# Altium PCB QCopterRC__Pcb.PcbDoc (part 2 of 3) (continued)
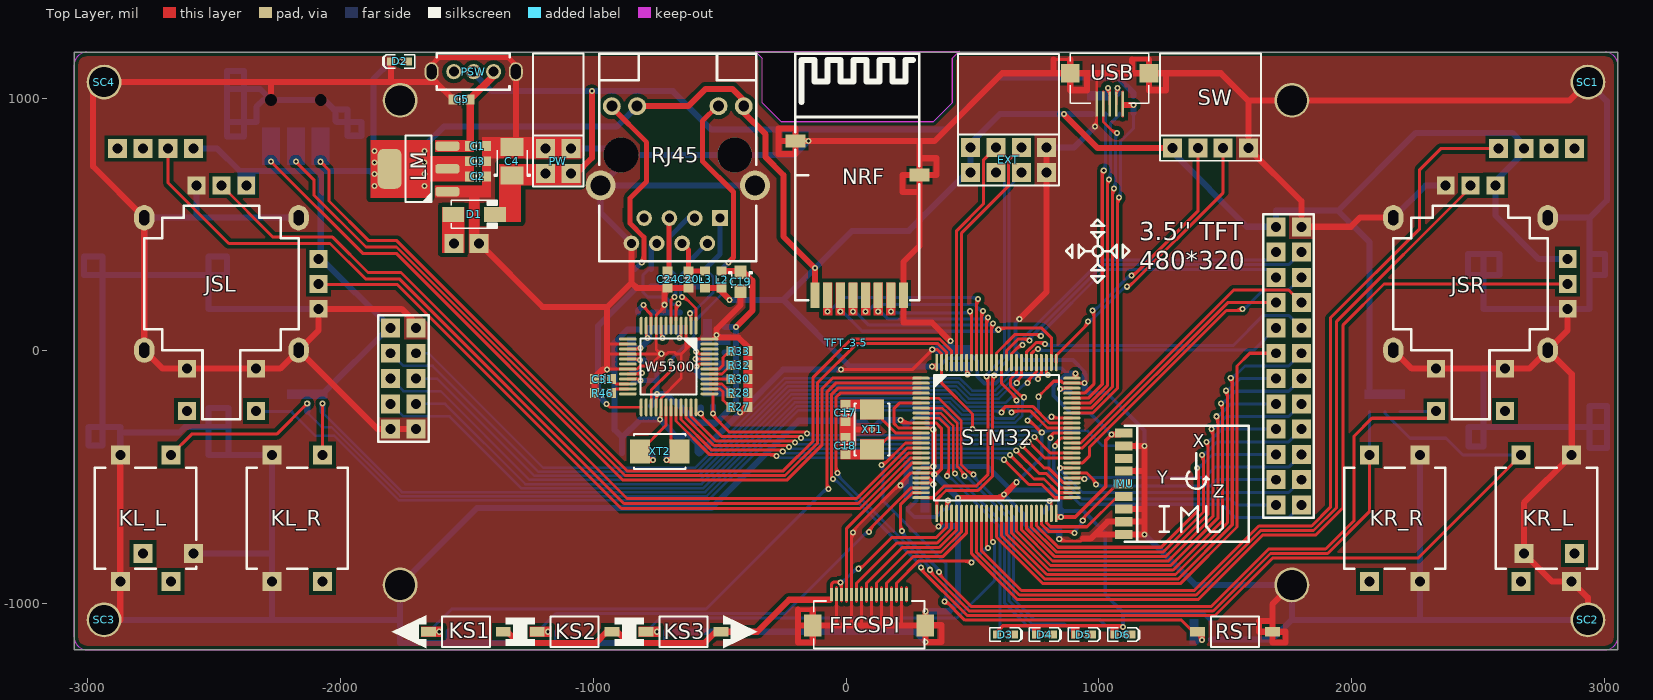
[diagram p0: Top Layer view]
## Nets (pads, with @x,y where several pads share a name; then routed paths per layer and width w, separated by ;. In a path a pad name is that pad's centre, name@x,y a point inside that pad or via, vN(x,y) a via of type N, cw(c..) or ccw(c..) an arc to the next point about the centre after c; other vN are vias at no path point) (continued)
  other v1: 1445,-309.18
LCD_D10: STM32.44 TFT_3.5.17 | length 1526.1
  Top Layer w12: STM32.44@713.11,-642.23 713.11,-701.38 823.73,-812 1264.91,-812 1432,-644.91 v1@1432,-360.18 ; v1@1421.76,-364.42 cw(c1397.03,-389.15) 1432,-389.15
  Bottom Layer w12: v1@1426,-354.18 ccw(c1426,-320.38) 1449.9,-344.28 ; v1@1429,-365.18 1485.13,-309.05 TFT_3.5.17@1700,-309.05
  other v1: 1426,-360.18
LCD_D11: STM32.45 TFT_3.5.18 | length 1553.3
  Top Layer w12: STM32.45@732.8,-642.23 732.8,-695.6 831.19,-794 1255.46,-794 1413,-636.46 v1@1413,-411.18 ; v1@1402.76,-415.42 cw(c1378.03,-440.15) 1413,-440.15
  Bottom Layer w12: v1@1407,-405.18 ccw(c1407,-371.38) 1430.9,-395.28 ; v1@1410,-416.18 1467,-359.18 1749.87,-359.18 TFT_3.5.18@1800,-309.05
  other v1: 1407,-411.18
LCD_D12: STM32.46 TFT_3.5.19 | length 1339
  Top Layer w12: STM32.46@752.48,-642.23 752.48,-689.83 838.65,-776 1246,-776 1394,-628 v1@1394,-462.18 ; v1@1383.76,-466.42 cw(c1359.03,-491.15) 1394,-491.15
  Bottom Layer w12: v1@1388,-456.18 ccw(c1388,-422.38) 1411.9,-446.28 ; v1@1391,-467.18 1449.13,-409.05 TFT_3.5.19@1700,-409.05
  other v1: 1388,-462.18
LCD_D13: STM32.55 TFT_3.5.20 | length 970.8
  Top Layer w12: STM32.55@893.23,-501.48 v1@942.48,-501.48
  Bottom Layer w12: v1@944,-501 1417,-501 1458.82,-459.18 1749.87,-459.18 TFT_3.5.20@1800,-409.05 ; v1@946.24,-511.24 cw(c970.97,-535.97) 970.97,-501
  other v1: 942,-507
LCD_D14: STM32.56 TFT_3.5.21 | length 891
  Top Layer w12: STM32.56@893.23,-481.8 950.8,-481.8 v1@994,-525 ; 973.1,-504.1 cw(c949.2,-528) v1@983,-528
  Bottom Layer w12: v1@992,-534 1441,-534 1465.95,-509.05 TFT_3.5.21@1700,-509.05 ; v1@993.24,-523.76 ccw(c1017.97,-499.03) 1017.97,-534
  other v1: 989,-528
LCD_D15: STM32.57 TFT_3.5.22 | length 1115.5
  Top Layer w12: v1(845.89,-462.11) STM32.57@893.23,-462.11 ; v1@850.13,-466.35 cw(c860.38,-476.6) 860.38,-462.11 cw(c860.38,-447.62) v1@850.13,-457.87
  Bottom Layer w12: v1@840.89,-465.11 934.96,-559.18 1749.87,-559.18 TFT_3.5.22@1800,-509.05 ; v1@851.89,-462.11 ccw(c885.69,-462.11) 861.79,-486.01
LCD_LIG: STM32.63 TFT_3.5.23 | length 1167.1
  Top Layer w12: v1@823,-371 850,-344 STM32.63@893.23,-344 ; v1@833,-375 cw(c866.8,-375) 842.9,-351.1
  Bottom Layer w12: 821.31,-403.21 cw(c855.21,-403.21) v1@831.24,-379.24 ; v1@821.31,-375.69 821.31,-473.31 933,-585 1519,-585 1543.05,-609.05 TFT_3.5.23@1700,-609.05
  other v1: 827,-375
LCD_RD: STM32.85 TFT_3.5.3 | length 1311.4
  Top Layer w12: STM32.85@654.06,-45.77 654.06,-10.94 v1@694,29 ; 673.1,8.1 cw(c697,-15.8) v1@697,18
  Bottom Layer w12: v1@691.34,24 697,29.66 697,46.94 977.01,326.95 977.5,326.95 1009.54,359 1668.05,359 TFT_3.5.3@1700,390.95 ; v1@692.76,28.24 ccw(c682.51,38.49) 697,38.49 ccw(c711.49,38.49) v1@701.24,28.24
  other v1: 697,24
LCD_RS: STM32.58 TFT_3.5.6 | length 1281.2
  Top Layer w12: STM32.58@893.23,-442.43 935.57,-442.43 962,-416 962,-381.84 1503.84,160 v1@1567,160 ; 1538.03,160 ccw(c1538.03,194.97) v1@1562.76,170.24
  Bottom Layer w12: v1@1567,172 ccw(c1567,205.8) 1590.9,181.9 ; v1@1570,161 1650,241 1750.05,241 TFT_3.5.6@1800,290.95
  other v1: 1567,166
LCD_RST: STM32.64 TFT_3.5.24 | length 1374.8
  Top Layer w12: v1@803,-341 819.69,-324.31 ; v1@813.9,-342.91 cw(c834.49,-339.12) 819.68,-324.32 ; STM32.64@893.23,-324.31 819.69,-324.31
  Bottom Layer w12: 802.31,-372.21 cw(c836.21,-372.21) v1@812.24,-348.24 ; v1@802.31,-343.69 802.31,-483.08 925.27,-606.04 1486.04,-606.04 1539.18,-659.18 1749.87,-659.18 TFT_3.5.24@1800,-609.05
  other v1: 808,-344
LCD_WR: STM32.86 TFT_3.5.4 | length 1432.4
  Top Layer w12: STM32.86@634.37,-45.77 634.37,0.37 682,48 v1@726,48 ; 697.03,48 cw(c697.03,13.03) v1@721.76,37.76
  Bottom Layer w12: v1@722,46 1017,341 1750.05,341 TFT_3.5.4@1800,390.95 ; v1@732,42 cw(c765.8,42) 741.9,65.9
  other v1: 726,42
LED_B: R7.1 STM32.7 | length 1344.1
  Top Layer w10: STM32.7@296.77,-225.89 379.43,-225.89 440,-286.46 440,-457 v1@473,-490 ; 448.98,-465.98 cw(c419.96,-495) v1@461,-495 ; 466.05,-483.05 cw(c454.1,-495) v1@471,-495
  Bottom Layer w12: v1@468,-501 cw(c468,-534.8) 491.9,-510.9 ; v1@471.52,-490.52 644,-663 644,-987.91 735.09,-1079 864.54,-1079 R7.1@906.54,-1121
  other v1: 468,-495
LED_G: R6.1 STM32.8 | length 1130.1
  Top Layer w10: STM32.8@296.77,-245.57 373.66,-245.57 424,-295.91 v1@424,-484
  Bottom Layer w12: v1@427,-488 626,-687 626,-995.46 R6.1@751.54,-1121 ; v1@437,-484 ccw(c470.8,-484) 446.9,-507.9
  other v1: 431,-484
LED_R: R5.1 STM32.9 | length 1095.9
  Top Layer w10: STM32.9@296.77,-265.26 367.89,-265.26 406,-303.37 v1@406,-495 ; v1@394.05,-489.05 ccw(c365.2,-460.2) 406,-460.2
  Bottom Layer w12: v1@399,-500 cw(c399,-533.8) 422.9,-509.9 ; v1@403,-490 608,-695 608,-1109.54 R5.1@596.54,-1121
  other v1: 399,-494
LED_Y: R8.1 STM32.5 | length 1501.1
  Top Layer w10: STM32.5@296.77,-186.52 365.52,-186.52 456,-277 456,-450 v1@499,-493 ; 476.69,-470.69 ccw(c504,-443.37) v1@504,-482
  Bottom Layer w12: v1@499,-492 662,-655 662,-980.45 742.55,-1061 1001.54,-1061 R8.1@1061.54,-1121 ; v1@510,-489 ccw(c543.8,-489) 519.9,-512.9
  other v1: 504,-489
LINKLED: R44.1 W5500.25 | length 704.5
  Top Layer w11: v1@-947,-215.5 cw(c-947,-231.19) -935.9,-220.1 cw(c-924.81,-209) v1@-940.5,-209 ; v1(-947,-209) -933.17,-222.83 W5500.25@-809.54,-222.83
  Bottom Layer w24: v1(-947,-209) -980,-176 -980,99 R44.1@-828,251
NetC22_2: C22.2 R42.2 W5500.31 XT2.2 | length 352
  Top Layer w11: W5500.31@-691.43,-222.83 -691.43,-363.52 XT2.2@-657.53,-397.42
  Top Layer w24: v1(-709.27,-430.42) -657.53,-430.42 XT2.2@-657.53,-392.42
  Bottom Layer w24: v1(-709.27,-430.42) R42.2@-709.27,-404.88 ; R42.2@-702.8,-398.42 C22.2@-654.73,-398.42
NetC25_2: C25.2 R42.1 W5500.30 XT2.1 | length 381
  Top Layer w11: XT2.1@-815.01,-397.42 -711.11,-293.52 W5500.30@-711.11,-222.83
  Top Layer w24: XT2.1@-815.01,-392.42 -815.01,-430.42 v1(-763.27,-430.42)
  Bottom Layer w24: C25.2@-817.8,-398.42 R42.1@-769.73,-398.42 ; v1(-763.27,-430.42) R42.1@-763.27,-404.88
NetD1_1: D1.1 Power.1
NetD2_1: D2.1 R1.1 | length 60.9
  Top Layer w24: v1(-1762,1145) D2.1@-1731.54,1145
  Bottom Layer w24: v1(-1762,1145) R1.1@-1731.54,1145
NetD3_2: D3.2 R5.2 | length 60.9
  Top Layer w24: v1(633,-1121) D3.2@663.46,-1121
  Bottom Layer w24: v1(633,-1121) R5.2@663.46,-1121
NetD4_2: D4.2 R6.2 | length 60.9
  Top Layer w24: v1(788,-1121) D4.2@818.46,-1121
  Bottom Layer w24: v1(788,-1121) R6.2@818.46,-1121
NetD5_2: D5.2 R7.2 | length 60.9
  Top Layer w24: v1(943,-1121) D5.2@973.46,-1121
  Bottom Layer w24: v1(943,-1121) R7.2@973.46,-1121
NetD6_2: D6.2 R8.2 | length 60.9
  Top Layer w24: v1(1098,-1121) D6.2@1128.46,-1121
  Bottom Layer w24: v1(1098,-1121) R8.2@1128.46,-1121
NetFFCSPI_16: FFCSPI.16 | length 54
  Top Layer w12: 238.64,-989.05 238.64,-935
NetIMU_3: IMU.3
NetR22_1: R22.1 R24.1 USB.3 | length 122.5
  Top Layer w10: v1@1030.05,1035.05 cw(c1001.2,1006.2) USB.3@1042,1006.2 ; v1(1035,1040) 1042,1033 USB.3@1042,976
  Bottom Layer w24: R24.1@1035,1016.46 v1(1035,1040)
NetR23_1: R23.1 USB.2 | length 119.7
  Top Layer w10: USB.2@1067.59,976 1067.59,1032.59 v1(1074,1039) ; USB.2@1067.59,1006.63 cw(c1106.37,1006.63) v1@1078.95,1034.05
  Bottom Layer w24: R23.1@1074,1015.46 v1(1074,1039)
NetR39_2: R39.2 RJ45.10 | length 739.2
  Top Layer w20: RJ45.10@-509.17,967.72 -567.2,909.69 -567.2,750.07 -445.2,628.07 -445.2,369.27 v1(-464.46,350)
  Bottom Layer w20: R39.2@-492,322.46 v1(-464.46,350)
NetR44_2: R44.2 RJ45.12 | length 793.8
  Top Layer w20: RJ45.12@-925.27,962.27 -788,825 -788,670 -854,604 -854,505 -799.11,450.11 -799.11,358.35 v1(-807.46,350) ; v1@-808.88,351.41 ccw(c-832.46,375) -799.11,375
  Bottom Layer w20: RJ45.12@-925.27,962.27 RJ45.12@-925.27,968.27 ; R44.2@-835,322.46 v1(-807.46,350)
NRF_CE: NRF.2 STM32.92 | length 947.9
  Top Layer w12: STM32.92@516.26,-45.77 v1@516.26,205.26 ; 516.26,176.66 cw(c550.34,176.66) v1@526.24,200.76
  Bottom Layer w12: v1@-72.6,162.84 ccw(c-72.6,196.64) -48.7,172.74 ; v1@-69.6,151.84 -10.44,211 v1@522,211 ; 493.03,211 cw(c493.03,176.03) v1@517.76,200.76
  other v1: -72.6,156.84 522,205
NRF_CSN: NRF.3 STM32.77 | length 1059.8
  Top Layer w12: v1@601.84,90 773.94,90 811.54,52.41 STM32.77@811.54,-45.77 ; v1@606.24,79.76 cw(c630.97,55.03) 630.97,90
  Bottom Layer w12: v1@-22.6,150.84 cw(c-22.6,117.04) 1.3,140.94 ; v1@-18.6,160.84 64.24,78 v1@602,78 ; 573.03,78 ccw(c573.03,112.97) v1@597.76,88.24
  other v1: 602,84 -22.6,156.84
NRF_IRQ: NRF.7 STM32.93 | length 597
  Top Layer w12: v1@486.76,152.76 cw(c463.06,129.06) 496.57,129.06 ; STM32.93@496.57,-45.77 v1@496.57,157.43
  Bottom Layer w12: v1@177,151 v1@490,151 ; v1@181.64,161.09 ccw(c205.99,185.43) 205.99,151 ; 462.03,151 ccw(c462.03,185.97) v1@486.76,161.24
  other v1: 177.4,156.84 491,157
NRF_MISO: NRF.6 STM32.90 | length 705.5
  Top Layer w12: STM32.90@555.63,-45.77 v1@555.63,132.63 ; 555.63,103.14 cw(c591.86,103.14) v1@566.24,128.76
  Bottom Layer w12: v1@127.4,150.84 cw(c127.4,117.04) 151.3,140.94 ; v1@131.4,160.84 165.24,127 v1@562,127 ; 533.03,127 ccw(c533.03,161.97) v1@557.76,137.24
  other v1: 562,133 127.4,156.84
NRF_MOSI: NRF.5 STM32.91 | length 768.4
  Top Layer w12: STM32.91@535.94,-45.77 v1@535.94,157.94 ; 535.94,128.9 cw(c571.1,128.9) v1@546.24,153.76
  Bottom Layer w12: v1@77.4,162.84 ccw(c77.4,196.64) 101.3,172.74 ; v1@80.4,151.84 111.56,183 509,183 v1@539,153 ; 518.1,173.9 ccw(c542,197.8) v1@542,164
  other v1: 77.4,156.84 542,158
NRF_SCK: NRF.4 STM32.89 | length 808.7
  Top Layer w12: STM32.89@575.32,-45.77 v1@575.32,108.32 ; 575.31,79.79 cw(c609.21,79.79) v1@585.24,103.76
  Bottom Layer w12: v1@27.4,150.84 cw(c27.4,117.04) 51.3,140.94 ; v1@31.4,160.84 90.24,102 v1@581,102 ; 552.03,102 ccw(c552.03,136.97) v1@576.76,112.24
  other v1: 581,108 27.4,156.84
OSC1: C17.2 STM32.12 XT1.2 | length 278.7
  Top Layer w12: XT1.2@103.13,-231.13 196.32,-324.31 STM32.12@296.77,-324.31 250.32,-324.31
OSC2: C18.2 STM32.13 XT1.1 | length 250.4
  Top Layer w12: XT1.1@103,-388.74 XT1.1@119.26,-388.74 ; XT1.1@135.26,-388.74 135.26,-372.74 164,-344 STM32.13@296.77,-344 252,-344
PMODE0: R25.1 R26.1 W5500.45 | length 191.6
  Top Layer w11: v1@-591.8,-7.9 cw(c-590.73,-22.69) -580.25,-12.2 ; v1@-591.03,-1.42 -580.25,-12.2 ; v1@-585.77,-1.42 ccw(c-573.05,-1.42) -582.04,-10.41 ; W5500.45@-539.85,-12.2 -580.25,-12.2
  Bottom Layer w24: -576.71,36.14 ccw(c-539.15,-1.42) v1(-592.27,-1.42) -592.27,20.58 R26.1@-557.27,55.58
PMODE1: R29.1 R31.1 W5500.44 | length 125.6
  Top Layer w11: v1@-593.8,-31.89 W5500.44@-539.85,-31.89 ; v1@-589.67,-36.01 cw(c-579.72,-45.97) -579.72,-31.89 ; v1@-589.67,-26.82 ccw(c-577.43,-14.58) -577.43,-31.89
  Bottom Layer w24: v1(-594.27,-31.42) -547.27,-31.42
PMODE2: R34.1 R35.1 W5500.43 | length 192.1
  Top Layer w11: v1@-591.03,-61.42 -581.19,-51.57 ; v1@-590.63,-54.95 ccw(c-589.47,-43.29) -581.19,-51.58 ; v1@-584.78,-61.03 cw(c-572.48,-60.29) -581.19,-51.58 ; W5500.43@-539.85,-51.57 -581.19,-51.57
  Bottom Layer w24: -575.71,-98.97 cw(c-538.15,-61.42) v1(-591.27,-61.42) -591.27,-83.42 R34.1@-554.27,-120.42
RCT: C24.2 R41.1 R45.2 RJ45.5 | length 333.8
  Top Layer w20: C24.2@-699.11,316.46 RJ45.5@-699.11,524.35
  Top Layer w24: v1(-705,286) C24.2@-705,316.46
  Bottom Layer w24: R45.2@-770,255.54 R41.1@-705,255.54 v1(-705,286)
RST: C10.1 R4.2 RST.1 STM32.14 | length 2089.9
  Top Layer w12: v1@141,-444 ccw(c141,-410.2) 164.9,-434.1 ; v1@145,-454 235.31,-363.69 STM32.14@296.77,-363.69 ; v1@388,-982 470,-1064 1326,-1064 RST.1@1372,-1110 ; v1@389,-997 cw(c389,-1030.8) 412.9,-1006.9 ; RST.1@1374,-1110 RST.1@1390,-1110
  Top Layer w24: RST.1@1390,-1110 1407,-1127 v1(1407,-1142) ccw(c1370.79,-1142) RST.1@1396.39,-1116.39
  Bottom Layer w12: v1@136.76,-454.24 cw(c112.03,-478.97) 147,-478.97 ; v1@147,-450 147,-593 395,-841 v1@395,-991 ; v1@384.76,-986.76 ccw(c360.03,-962.03) 395,-962.03
  Bottom Layer w24: C10.1@1378.54,-1142 v1(1407,-1142)
  other v1: 389,-991 141,-450
RSVD1: R46.1 W5500.23 | length 71.9
  Top Layer w11: R46.1@-927.8,-166.42 -911.39,-150 W5500.23@-862.68,-150
RSVD2: R27.2 W5500.38 | length 128.1
  Top Layer w11: W5500.38@-539.85,-150 -497.68,-150 -486.27,-161.42 -486.27,-194.42 R27.2@-460.27,-220.42
RSVD3: R28.2 W5500.39 | length 99.7
  Top Layer w11: W5500.39@-539.85,-130.31 -489.83,-130.31 R28.2@-454.73,-165.42
RSVD4: R30.2 W5500.40 | length 85.1
  Top Layer w11: W5500.40@-539.85,-110.63 R30.2@-454.73,-110.63
RSVD5: R32.2 W5500.41 | length 99.8
  Top Layer w11: W5500.41@-539.85,-90.94 -490.26,-90.94 R32.2@-454.73,-55.42
RSVD6: R33.2 W5500.42 | length 123
  Top Layer w11: W5500.42@-539.85,-71.26 -501.11,-71.26 -486.27,-56.42 -486.27,-26.42 R33.2@-462.77,-2.92
RXN: R45.1 RJ45.6 W5500.5 | length 498.1
  Top Layer w11: W5500.5@-671.98,120.47 v1@-672.01,182 ; -671.99,150.55 cw(c-625.54,150.58) v1@-658.4,183.41 ; -672,177.11 cw(c-652.11,177.12) v1@-666.18,191.18
  Bottom Layer w12: R45.1@-770,333 -802,301 -802,231 -785,214 -714,214 -683,183 ; v1@-668.07,191.21 cw(c-683,200.68) -683,183 ; v1@-667,183 -683,183
  Bottom Layer w20: R45.1@-770,322.46 RJ45.6@-770,419
  other v1: -663,188
RXP: R41.2 RJ45.3 W5500.6 | length 506.8
  Top Layer w11: W5500.6@-691.58,110.46 -691.62,200.38 v1(-678,214) ; v1@-684.5,214 cw(c-700.19,214) -689.1,202.9 cw(c-678,191.81) v1@-678,207.5
  Bottom Layer w12: R41.2@-694.46,322.46 -672.5,300.5 v1@-672.5,218 ; v1@-682.24,218.24 ccw(c-705.76,241.76) -672.5,241.76
  Bottom Layer w20: R41.2@-697,322.46 -697,452 RJ45.3@-623.65,525.35
SD_CLK: STM32.80 TFT_3.5.29 | length 3031.7
  Top Layer w12: v1@713,-123 752.48,-83.52 STM32.80@752.48,-45.77 ; v1@723,-127 cw(c756.8,-127) 732.9,-103.1
  Bottom Layer w10: TFT_3.5.29@-1800,-109.05 -1750.05,-159 -1602,-159 -1251,-510 -577.14,-510 -222.14,-155 429.14,-155 479.14,-205 630,-205 v1@713,-122 ; 689.69,-145.31 cw(c717,-172.63) v1@717,-134
  other v1: 717,-127
SD_CMD: STM32.83 TFT_3.5.30 | length 2884.9
  Top Layer w12: v1@670,-124 693.43,-100.57 STM32.83@693.43,-45.77 ; v1@681,-127 cw(c714.8,-127) 690.9,-103.1
  Bottom Layer w10: TFT_3.5.30@-1700,-109.05 -1616.95,-109.05 -1232,-494 -583.76,-494 -228.76,-139 435.76,-139 485.76,-189 603,-189 v1@670,-122 ; 645.98,-146.02 cw(c675,-175.04) v1@675,-134 ; 663.05,-128.95 cw(c675,-140.9) v1@675,-124
  other v1: 675,-127
SD_D0: STM32.65 TFT_3.5.32 | length 2980.3
  Top Layer w12: v1@654,-238 730,-238 796.63,-304.63 STM32.65@893.23,-304.63 ; v1@658.24,-247.24 cw(c680.56,-269.56) 680.56,-238
  Bottom Layer w10: TFT_3.5.32@-1700,-209.05 -1584.95,-209.05 -1268,-526 -570.51,-526 -215.51,-171 422.51,-171 472.51,-221 632,-221 v1(654,-243) ; v1@647,-243 ccw(c630.1,-243) 642.05,-231.05 ccw(c654,-219.1) v1@654,-236
SD_D1: STM32.66 TFT_3.5.31 | length 3097.4
  Top Layer w12: v1@611.48,-238.52 631,-219 ; v1@621,-243.87 cw(c655.16,-243.16) 631,-219 ; STM32.66@893.23,-284.94 803.94,-284.94 738,-219 631,-219
  Bottom Layer w10: TFT_3.5.31@-1800,-209.05 -1750.05,-259 -1567,-259 -1284,-542 -563.88,-542 -208.88,-187 415.88,-187 465.88,-237 v1@615,-237 ; 581.2,-237 cw(c581.2,-277.8) v1@610.05,-248.95
  other v1: 615,-244
SD_D2: STM32.78 TFT_3.5.28 | length 2964.1
  Top Layer w12: v1@791.85,-95.85 STM32.78@791.85,-45.77
  Bottom Layer w10: TFT_3.5.28@-1700,-9.05 -1649.95,-9.05 -1197,-462 -597.02,-462 -242.02,-107 449.02,-107 499.02,-157 589.75,-157 658.75,-88 v1@798,-88 ; 764.2,-88 cw(c764.2,-128.8) v1@793.05,-99.95
  other v1: 798,-95
SD_D3: STM32.79 TFT_3.5.27 | length 3072.4
  Top Layer w12: v1@755,-106.84 772.17,-89.67 ; v1@764.96,-110.32 cw(c789.95,-107.46) 772.16,-89.67 ; STM32.79@772.17,-45.77 772.17,-89.67
  Bottom Layer w10: TFT_3.5.27@-1800,-9.05 -1750.05,-59 -1634,-59 -1215,-478 -590.39,-478 -235.39,-123 442.39,-123 492.39,-173 596.37,-173 665.37,-104 v1@759,-104 ; 725.2,-104 cw(c725.2,-144.8) v1@754.05,-115.95
  other v1: 759,-111
SW_CLK: STM32.76 SW.3 | length 1233.3
  Top Layer w12: STM32.76@831.22,-45.77 831.22,-17.78 v1@961,112 ; 941.1,92.1 ccw(c917.2,116) v1@951,116 ; v1@1111,260 ccw(c1111,293.8) 1134.9,269.9 ; v1@1114,249 1491,626 SW.3@1491,802
  Bottom Layer w12: v1@957,122 ccw(c957,155.8) 980.9,131.9 ; v1@961,112 v1@1107,258 ; 1087.1,238.1 cw(c1111,214.2) v1@1111,248
  other v1: 957,116 1111,254
SW_DIO: STM32.72 SW.2 | length 1356.9
  Top Layer w12: 929.17,-166.83 STM32.72@893.23,-166.83 943.34,-166.83 981,-129.18 v1@981,160 ; v1@970.76,155.76 cw(c946.03,131.03) 981,131.03 ; v1@1129,304 ccw(c1129,337.8) 1152.9,313.9 ; v1@1132,293 1391,552 SW.2@1391,802
  Bottom Layer w12: v1@975,166 ccw(c975,199.8) 998.9,175.9 ; v1@979,156 v1@1124,301 ; 1105.1,282.1 cw(c1129,258.2) v1@1129,292
  other v1: 975,160 1129,298
TCT: C20.2 L3.2 R38.1 R40.2 RJ45.4 | length 310.6
  Top Layer w20: RJ45.4@-648.11,425.35 -622,399.24 C20.2@-622,316.46 L3.2@-557,316.46
  Top Layer w24: v1(-622,286) C20.2@-622,316.46
  Bottom Layer w24: v1(-622,286) R40.2@-622,255.54 R38.1@-557,255.54
TOCAP: C33.2 W5500.20 | length 120.6
  Top Layer w11: W5500.20@-862.68,-90.94 v1@-811.8,-90.94 ; W5500.20@-832.89,-90.94 ccw(c-832.89,-59.79) v1@-810.86,-81.82
  Bottom Layer w20: C33.2@-847.8,-76.42 -838.8,-85.42 v1@-806.27,-85.42
  other v1: -806.27,-86.42
TXN: R40.1 RJ45.2 W5500.1 | length 396
  Top Layer w11: v1@-648,207.5 cw(c-648,170.08) -621.54,196.54 ; v1@-644,219 -593.17,168.17 W5500.1@-593.17,120.52
  Bottom Layer w12: v1@-653.96,218 -653.96,300.5 R40.1@-632,322.46
  Bottom Layer w20: R40.1@-622,322.46 -622,351.46 RJ45.2@-548.11,425.35
  other v1: -648,214
TXP: R38.2 RJ45.1 W5500.2 | length 537.7
  Top Layer w11: v1@-621.59,144.4 cw(c-642.63,123.35) W5500.2@-612.87,123.36 ; W5500.2@-612.87,120.51 v1@-612.88,153
  Bottom Layer w11: v1@-617,155.5 ccw(c-617,195.33) -588.83,167.17 ; v1@-612.5,143.5 -525,231 -525,292.46 R38.2@-555,322.46
  Bottom Layer w20: R38.2@-555,326 -498.11,382.89 RJ45.1@-498.11,525.35
  other v1: -617,149
USB_DM: R23.2 STM32.70 | length 1317.3
  Top Layer w12: STM32.70@893.23,-206.2 963.88,-206.2 1033,-137.09 v1@1033,678 ; 1033,649.03 cw(c1067.97,649.03) v1@1043.24,673.76
  Bottom Layer w12: v1@1034.76,682.24 ccw(c1010.03,706.97) 1045,706.97 ; v1@1045,678 1045,898.54 1082,935.54 R23.2@1082,941.54
  other v1: 1039,678
USB_DP: R24.2 STM32.71 | length 1279.3
  Top Layer w12: STM32.71@893.23,-186.52 958.11,-186.52 1013,-131.63 v1@1013,715 ; 1013,685.03 cw(c1047.97,685.03) v1@1023.24,709.76
  Bottom Layer w10: R24.2@1027,941.54 R24.2@1032.41,936.13
  Bottom Layer w12: v1@1014.76,718.24 ccw(c990.03,742.97) 1025,742.97 ; v1@1025,714 R24.2@1025,941.54
  other v1: 1019,714
USB_ID: STM32.69 USB.4 | length 1516.7
  Top Layer w10: USB.4@1016.41,1025 1016.41,906.59 v1@1067,856 ; 1041.98,881.02 ccw(c1071,910.04) v1@1071,869 ; 1059.05,863.95 ccw(c1071,875.9) v1@1071,859
  Top Layer w12: STM32.69@893.23,-225.89 969.65,-225.89 1053,-142.54 v1@1053,642 ; 1053,613.03 cw(c1087.97,613.03) v1@1063.24,637.76
  Bottom Layer w12: v1@1054.76,646.24 ccw(c1030.03,670.97) 1065,670.97 ; v1@1065,642 v1@1065,862 ; 1065,833.03 cw(c1099.97,833.03) v1@1075.24,857.76
  other v1: 1059,642 1071,862
USB_VBUS: R21.2 STM32.68 USB.1 | length 1551.2
  Top Layer w10: USB.1@1093.18,927.18 USB.1@1093.18,976 USB.1@1093.18,1024.82
  Top Layer w12: STM32.68@893.23,-245.57 975.43,-245.57 1073.06,-147.94 v1@1073.06,606.06 ; 1073.06,577.16 cw(c1107.84,577.16) v1@1083.24,601.76
  Top Layer w24: 1101,972 v1(1137,972)
  Bottom Layer w12: v1@1074.76,610.24 ccw(c1050.03,634.97) 1085,634.97 ; v1@1085,605 1085,828 1137,880 R21.2@1137,941.54
  Bottom Layer w24: R21.2@1137,941.54 v1(1137,972)
  other v1: 1079,606
VCAP1: C8.1 STM32.49 | length 136.4
  Top Layer w10: STM32.49@811.54,-642.23 v1@811.54,-593.46
  Bottom Layer w24: C8.1@782.85,-634.6 805,-612.45 v1(805,-593) cw(c758.05,-593) C8.1@791.25,-626.2
VCAP2: C9.1 STM32.73 | length 115.5
  Top Layer w12: v1@844.85,-147.15 STM32.73@893.23,-147.15 ; v1@850.24,-155.24 cw(c869.78,-174.78) STM32.73@869.78,-147.15
  Bottom Layer w24: v1(846,-151) 871.6,-151 C9.1@885.6,-165
VCC5: C4.1 D1.2 PSW.2 PW.1 PW.3 R21.1 | length 3222.7
  Top Layer w24: PW.3@-1088,701 -1067,701 -1005,763 v1(-1005,1027)
  Bottom Layer w24: PSW.2@-1480,1105 -1402,1027 -684.5,1027 -532.5,875 395,875 601,1081 1075.43,1081 1137,1019.43 R21.1@1137,1008.46 ; PW.1@-1204,701 PW.1@-1188,701
VDDA: C6.1 C7.1 L1.2 STM32.21 STM32.22 | length 151.8
  Top Layer w12: STM32.22@296.77,-521.17 v1@339.06,-521.17 ; STM32.21@296.77,-501.48 327.54,-501.48 v1@350.53,-524.47 ; STM32.21@329.06,-503 cw(c305.06,-527) v1@339,-527
  Bottom Layer w24: C7.1@325.46,-527 v1(345,-527)
pads on no net: JSL.7 JSR.9 KL_L.3 KL_R.3 KR_L.4 KR_R.4 PL.5 PSW.3 RJ45.7 VR_L.3 VR_L.4 VR_L.6 VR_R.1 VR_R.2 VR_R.5 W5500.7 W5500.12 W5500.13 W5500.18 W5500.24 W5500.26 W5500.46 W5500.47

## Polygon pours and split planes (outlines as drawn)
GND on Top Layer "Top Layer-No Net" (solid, remove dead copper, pour order 2): -3052,1182 3052,1182 3052,-1182 -3052,-1182
GND on Bottom Layer "Top Layer-No Net" (solid, remove dead copper, pour order 6): -3052,1182 3052,1182 3052,-1182 -3052,-1182

## Keep-outs
Keep-Out Layer:
  lines w2: -3051.18,-1131.1 ccw(c-3001.18,-1131.1) -3001.18,-1181.1 3001.18,-1181.1 ccw(c3001.18,-1131.1) 3051.18,-1131.1 3051.18,1131 ccw(c3001.18,1131) 3001.18,1181 443.5,1181 419.5,1157 419.5,982 344.5,907 -255.5,907 -330.5,982 -330.5,1157 -354.5,1181 -3001.18,1181 ccw(c-3001.18,1131) -3051.18,1131 -3051.18,-1131.1

## Other copper
Top Layer:
  rectangle net 3V3: 1045,-1137 1078,-1087
  rectangle net 3V3: 735,-1137 768,-1087
  rectangle net 3V3: 890,-1137 923,-1087
  rectangle net KEY_S3: -821,-1130 -734,-1090
  rectangle net KEY_S2: -1251,-1130 -1164,-1090
  rectangle net KEY_S1: -1681,-1130 -1594,-1090
  rectangle net USB_VBUS: 1092,960 1108,984
  rectangle net GND: -1439.25,760 -1045,845
  rectangle net VCC5: -1370,655 -1045,740
  rectangle net 5V: -1625,786.38 -1470,833.62
  rectangle net 3V3: -1804.17,670 -1470.75,770
  rectangle net GND: -1625,606.06 -1409,653.31
  rectangle net VCC5: -1371,510 -1284,740
  rectangle net VCC5: -1431,510 -1284,570
  rectangle net NetD1_1: -1597,387 -1509,570
  region net GND: -1490,643.17 -1490,387 -1449,387 -1449,643.17
  rectangle net GND: -1490,387 -1412,463
  rectangle net 3V3: -1880,605 -1643.83,835
  rectangle net GND: -405.52,-241 -369,19.37
  rectangle net OSC1: -22,-230 151,-191
  rectangle net OSC1: 55,-271 151,-191
  rectangle net OSC2: 55,-429 151,-349
  rectangle net OSC2: -22,-429 151,-390
  rectangle net GND: -25.62,-359.25 21.62,-260.75
  rectangle net NRF_CE: -91,140 -54,270
  rectangle net NRF_CSN: -41,140 -4,270
  rectangle net NRF_SCK: 9,140 46,270
  rectangle net NRF_MOSI: 59,140 96,270
  rectangle net NRF_MISO: 109,140 146,270
  rectangle net NRF_IRQ: 159,140 196,270
  rectangle net GND: -1439.25,606 -1403,830
  rectangle net GND: -25.62,-375 38,-245
  pour cut-out: -177,-1031 -86,-1031 -86,-1139 -177,-1139
  pour cut-out: 1646,-1080 1726,-1080 1726,-1140 1646,-1140
  pour cut-out: 839,1146 934,1146 934,1050 839,1050
  pour cut-out: 1150.02,1146 1245.02,1146 1245.02,1050 1150.02,1050
  pour cut-out: 240,731 340,731 340,659 240,659
  pour cut-out: -250,866 -150,866 -150,794 -250,794
  pour cut-out: 1053,-297 1143,-297 1143,-774 1053,-774
  pour cut-out: -73,-920 255,-920 255,-1006 -73,-1006
  pour cut-out: 268.44,-1030.44 359.44,-1030.44 359.44,-1138.44 268.44,-1138.44
  pour cut-out: 199,280 256,280 256,159 199,159
  pour cut-out: -883,565 -433,565 -433,381 -478.75,335 -820,335 -820,448 -883,511
  pour cut-out: -739,344 -391,344 -391,260 -739,260
  pour cut-out: -1481.25,655.53 -1481.25,833.62 -1405,833.62 -1405,655.53
  pour cut-out: -522,-254 -522,44 -405.52,44 -405.52,-242 -420.68,-254
  pour cut-out: -464,210 -464,265 -384,265 -384,210
  pour cut-out: -977.02,-182 -977.02,-98.17 -945.52,-98.17 -945.52,-182
  pour cut-out: 341,-598 341,-90 849,-90 849,-598
  pour cut-out: 1353.36,-1040 1433.36,-1040 1433.36,-1100 1353.36,-1100
Bottom Layer:
  rectangle net 3V3: -2210,-189.25 -2050,-153
  rectangle net 3V3: 2050,-189.25 2210,-153
  rectangle net RST: 1358,-1160 1394.25,-1060
  rectangle net NetR22_1: 952,990 1047,1027
  rectangle net 3V3: -2406,618 -2335,703
  rectangle net 3V3: -1880,605 -1643.83,835
  rectangle net PMODE1: -566.27,-79.42 -530.02,15.58
  rectangle net PMODE0: -566.27,30.58 -530.02,125.58
  rectangle net PMODE2: -566.27,-180.42 -530.02,-94.42
  rectangle net GND: -510.52,-77.42 -455.8,-37.42
  rectangle net GND: -520.02,24.58 -455.8,64.58
  rectangle net GND: -520.02,-177.42 -506.27,24.58
  rectangle net GND: -520.02,-179.42 -455.8,-139.42
  rectangle net 3V3D: -865.52,-45.04 -829.27,57.2
  rectangle net 3V3D: -789.89,66.58 -632.65,102.83
  rectangle net VDDA: 294,-639 331,-489
  rectangle net GND: 227,-584 264,-434
  rectangle net BOOT0: 408,-81 503,-44
  rectangle net GND: 353,-14 448,23
  rectangle net 3V3: 463,-34 503,23
  rectangle net KEY_PL: -2309,736 -2238,883
  rectangle net KEY_PP: -2210.57,736 -2139.57,883
  rectangle net KEY_PR: -2112.15,736 -2041.15,883
  pour cut-out: -2424,1082 -2336,1082 -2336,990 -2424,990
  pour cut-out: -2418,935 -2342,935 -2342,875 -2418,875
  pour cut-out: -2008.55,935 -1932.55,935 -1932.55,875 -2008.55,875
  pour cut-out: -2980,-240 -2900,-240 -2900,-360 -2980,-360
  pour cut-out: -2560,-240 -2480,-240 -2480,-360 -2560,-360
  pour cut-out: -2980,360 -2900,360 -2900,240 -2980,240
  pour cut-out: -2560,360 -2480,360 -2480,240 -2560,240
  pour cut-out: 2900,360 2980,360 2980,240 2900,240
  pour cut-out: 2480,360 2560,360 2560,240 2480,240
  pour cut-out: 2900,-240 2980,-240 2980,-360 2900,-360
  pour cut-out: 2480,-240 2560,-240 2560,-360 2480,-360
  pour cut-out: -2115,-162.18 -2034,-162.18 -2034,-254.18 -2115,-254.18
  pour cut-out: -2122,-315.18 -2024,-315.18 -2024,-407.18 -2122,-407.18
  pour cut-out: -896,55.96 -828,55.96 -828,-167 -896,-167
  pour cut-out: -858,73 -858,240 -555,240 -555,73